# Altium PCB LDC10.PcbDoc
Units mm, origin at the board's own origin, x right, y up, seen from the top; angles counter-clockwise.
Board outline 44 x 21 mm, 2 copper layers (Top Layer, Bottom Layer); 28 components, 25 nets, 100 pads, 39 vias.
Unrouted connection lines stored in the file: 1.
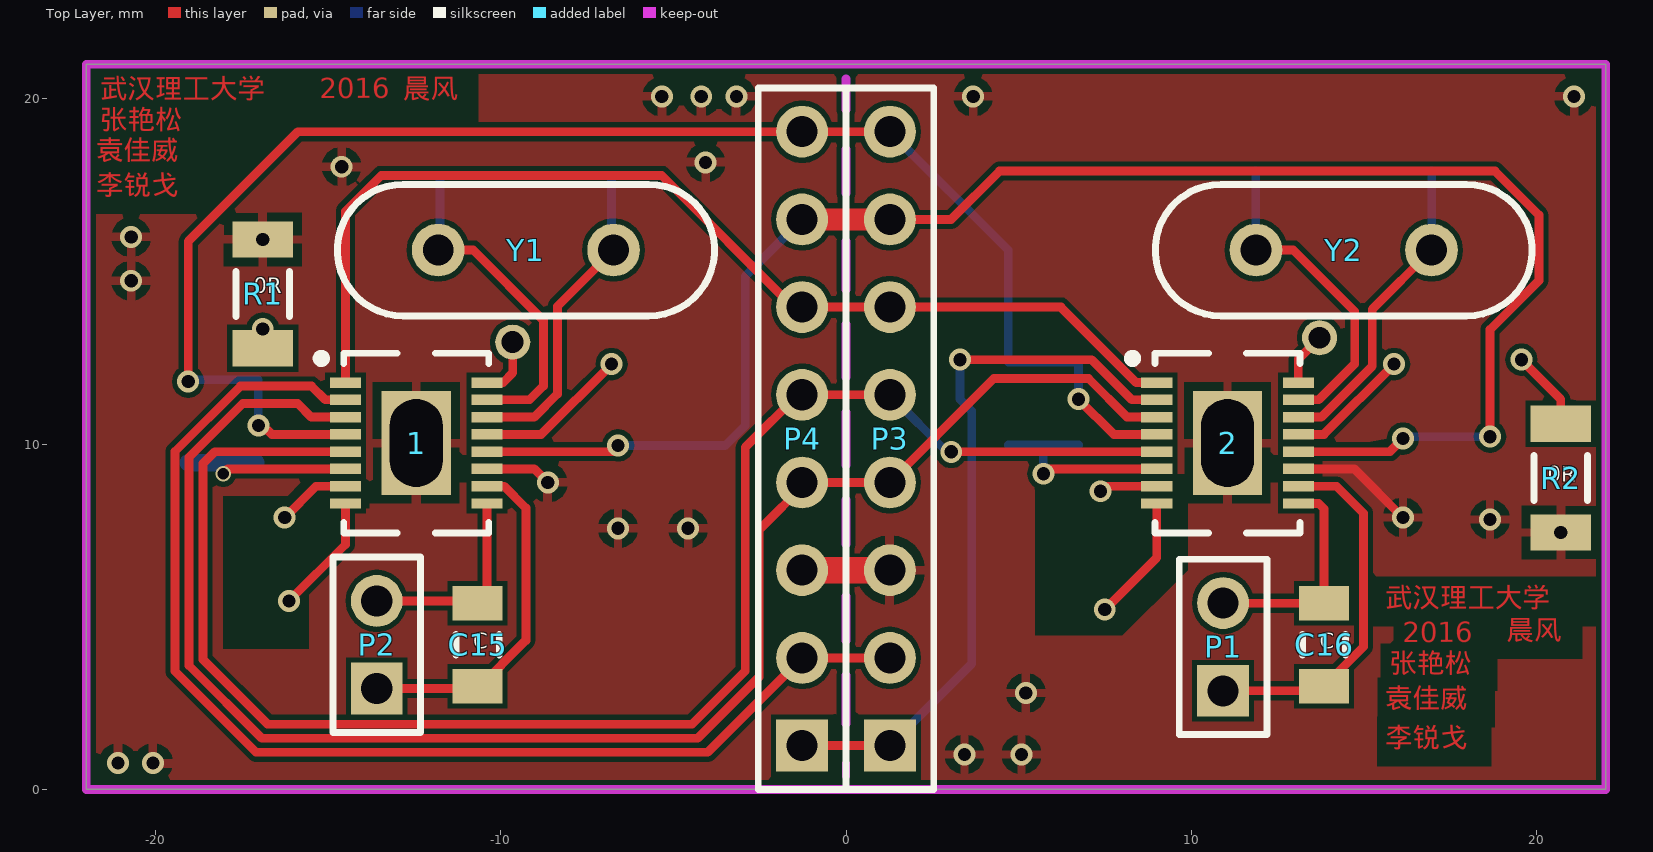
[diagram p0: Top Layer view]
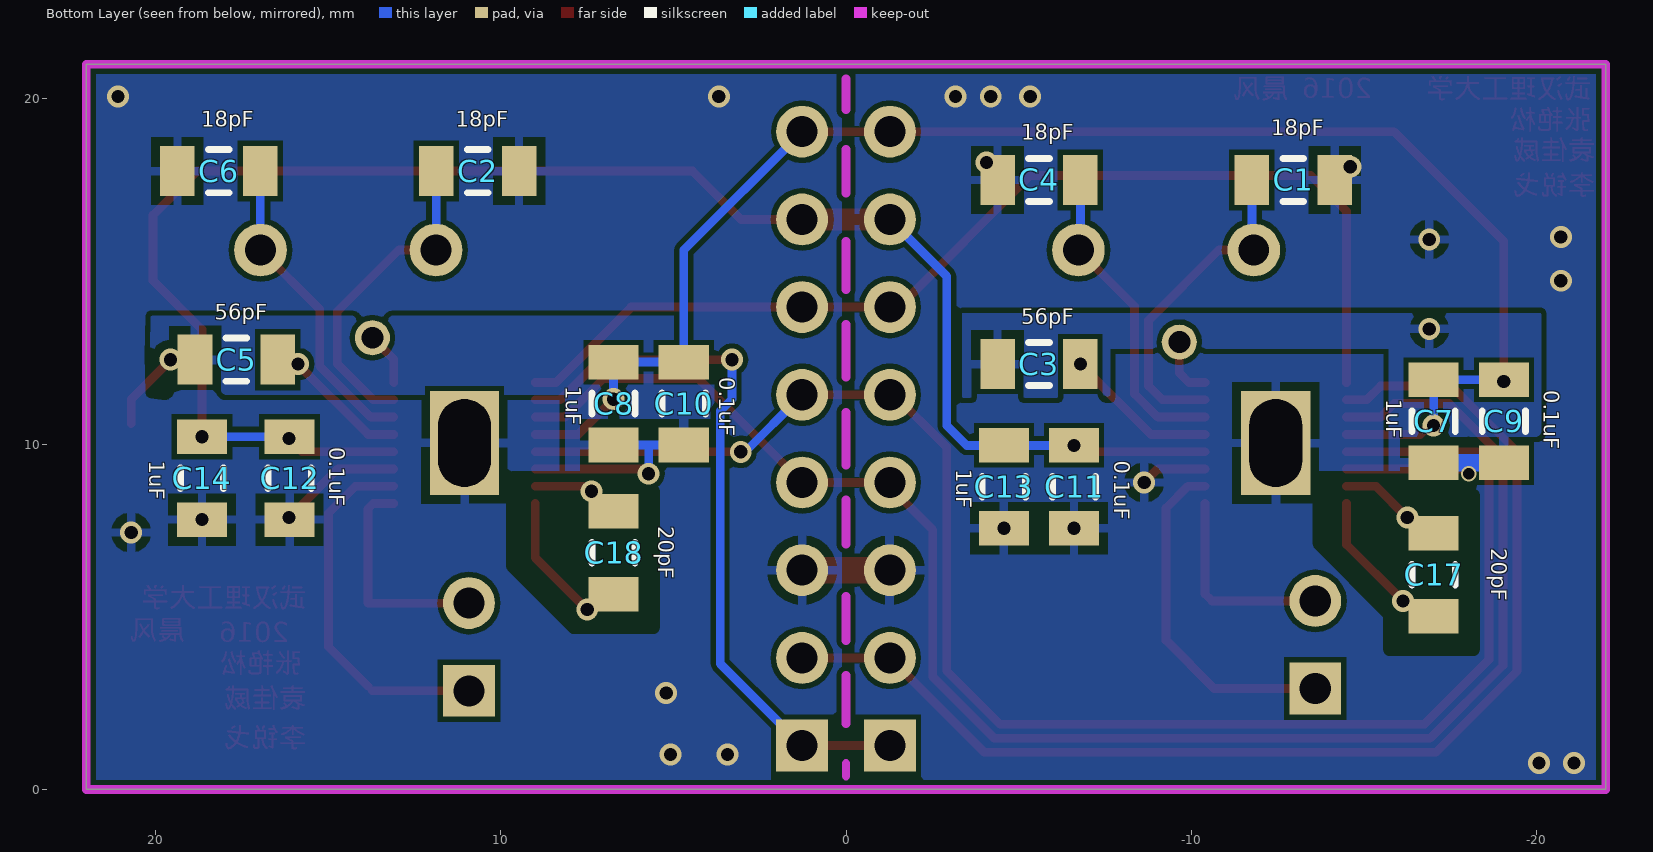
[diagram p1: Bottom Layer view, seen from below]

## Layer stack, top to bottom
Top Layer: signal copper 0.0356
Dielectric: dielectric 0.32, FR-4, Dk 4.8
Bottom Layer: signal copper 0.0356

## Board outline
-22,0 -22,21 22,21 22,0

## Design rules (kind name [scope] priority, off if disabled: settings)
Clearance [All] p1: gap=0.152
PolygonConnect [All] p1: connectstyle=Relief reliefconductorwidth=0.254 reliefentries=4 polygonreliefangle="90 Angle" airgapwidth=0.254
RoutingVias [All] p1: holewidth=0.711 width=1.27 viastyle="Through Hole" minholewidth=0.711 minwidth=1.27 maxholewidth=0.711 maxwidth=1.27
SolderMaskExpansion [All] p1: expansion=0.102
Width [All] p1: maxlimit=0.762 minlimit=0.152 preferedwidth=0.381 minimp=50.000000 maximp=50.000000 favimp=50.000000
28 further rules are at their usual default settings.

## Components (designator, comment, footprint, x,y, rotation, side; value= is the part's Value field where it differs from the comment)
1 "LDC1051" LDC1000 -12.446,10.033 r0 top
2 "LDC1051" LDC1000 11.049,10.033 r0 top
C1 "Cap" C2012 -12.954,17.653 r0 bottom
C2 "Cap" C2012 10.668,17.907 r0 bottom
C3 "Cap" C2012 -5.588,12.319 r180 bottom
C4 "Cap" C2012 -5.588,17.653 r180 bottom
C5 "Cap" C2012 17.653,12.446 r180 bottom
C6 "Cap" C2012 18.161,17.907 r180 bottom
C7 "Cap Pol1" C2012 -17.018,10.668 r270 bottom
C8 "Cap Pol1" C2012 6.731,11.176 r270 bottom
C9 "Cap" C2012 -19.05,10.668 r90 bottom
C10 "Cap" C2012 4.699,11.176 r90 bottom
C11 "Cap Pol1" C2012 -6.604,8.763 r270 bottom
C12 "Cap Pol1" C2012 16.111,9.017 r270 bottom
C13 "Cap" C2012 -4.572,8.763 r90 bottom
C14 "Cap" C2012 18.651,9.017 r90 bottom
C15 "Cap" C2012 -10.668,4.191 r90 top
C16 "Cap" C2012 13.843,4.191 r90 top
C17 "Cap" C2012 -17.018,6.223 r90 bottom
C18 "Cap" C2012 6.731,6.858 r90 bottom
P1 "Header 2" HDR1X2 10.922,2.857 r90 top
P2 "Header 2" HDR1X2 -13.589,2.921 r90 top
P3 "Header 8" HDR1X8 1.27,1.27 r90 top
P4 "Header 8" HDR1X8 -1.27,1.27 r90 top
R1 "Res2" 1206(2) -16.891,14.351 r270 top
R2 "Res2" 1206(2) 20.701,9.017 r90 top
Y1 "XTAL" XTAL-RAD-0.2 -9.271,15.621 r180 top
Y2 "XTAL" XTAL-RAD-0.2 14.414,15.621 r0 top

## Footprints (in the part's own frame and the unit in brackets; to place one, negate y for a bottom-side part, rotate by r counter-clockwise, add the part's x,y. Pads: shape width x height; smd on the part's side, far side on the other; paste and mask are expansions set on the pad)
1206(2) [mm]
  rect 1.05x1.75 smd: 1(-1.575,0) 2(1.575,0)
  silkscreen extent -0.65,-0.77 0.65,0.77, body extent -1.6,-0.8 1.6,0.8, height 1.6
C2012 [mm] "Chip Capacitor, 2-Leads, Body 2.0x1.2mm, IPC Low Density"
  rect 1x1.45 smd: 1(-1.2,0) 2(1.2,0)
  silkscreen extent -0.3,-0.63 0.3,0.63, body extent -0.98,-0.6 1.02,0.6, height 0.5
HDR1X2 [mm] "Connector; Header; 2 Position"
  rect 1.5x1.5 hole 0.9: 1(0,0)
  round 1.5 hole 0.9: 2(2.54,0)
  silkscreen extent -1.27,-1.27 3.81,1.27, body extent -1.27,-1.27 3.81,1.27, height 7.58
HDR1X8 [mm] "Connector; Header; 8 Position"
  rect 1.5x1.5 hole 0.9: 1(0,0)
  round 1.5 hole 0.9: 2(2.54,0) 3(5.08,0) 4(7.62,0) 5(10.16,0) 6(12.7,0) 7(15.24,0) 8(17.78,0)
  silkscreen extent -1.27,-1.27 19.05,1.27, body extent -1.27,-1.27 19.05,1.27, height 7.58
LDC1000 [mm] "QFN, 16-Leads, Body 5.00x4.00mm, Pitch 0.50mm/0.00mm, Thermal Pad 3.75x0.00mm, IPC Medium Density"
  rect 0.9x0.3 smd: 1(-2.05,1.75) 2(-2.05,1.25) 3(-2.05,0.75) 4(-2.05,0.25) 5(-2.05,-0.25) 6(-2.05,-0.75) 7(-2.05,-1.25) 8(-2.05,-1.75) 9(2.05,-1.75) 10(2.05,-1.25) 11(2.05,-0.75) 12(2.05,-0.25) 13(2.05,0.25) 14(2.05,0.75) 15(2.05,1.25) 16(2.05,1.75)
  rect 2x3 hole 1.524 slot 2.54 at 90 deg: 17(0,0)
  silkscreen extent -2.87,-2.6 2.1,2.6, body extent -1.95,-2.45 1.95,2.45, height 0.8
XTAL-RAD-0.2 [mil] "Radial Cap, Thru-Hole; 2 Leads; 0.2 in Pin Spacing"
  round 60 hole 35: 1(-100,0) 2(100,0)
  silkscreen extent -215,-75 215,75, body extent -210,-81 210,81, height 127

## Part data
1 2: library part LDC1000
C1 C2 C3 C4 C5 C6 C9 C10 C13 C14 C15 C16 C17 C18: "Capacitor"
C7 C8 C11 C12: "Polarized Capacitor (Radial)"
P1 P2: "Header, 2-Pin"
P3 P4: "Header, 8-Pin"
R1 R2: "Resistor"
Y1 Y2: "晶体振荡器"

## Free pads (board coordinates)
  round 1.016 hole 0.635: 0(-9.652,12.954) 0(13.716,13.081)

## Via types
v1: diameter 0.635, hole 0.381, Top Layer to Bottom Layer, 38 vias
v2: diameter 0.457, hole 0.33, Top Layer to Bottom Layer, 1 vias

## Nets (pads, with @x,y where several pads share a name; then routed paths per layer and width w, separated by ;. In a path a pad name is that pad's centre, name@x,y a point inside that pad or via, vN(x,y) a via of type N, cw(c..) or ccw(c..) an arc to the next point about the centre after c; other vN are vias at no path point)
4.5V: 1.4 2.4 C7.1 C8.1 C9.2 C10.2 P3.8 P4.8 | length 45.7
  Top Layer w0.254: v1(-19.05,11.811) -19.05,15.875 -15.875,19.05 P4.8 P3.8 ; v1@-17.018,10.414 -16.764,10.414 -16.633,10.283 1.4 ; v1(6.731,11.303) 7.751,10.283 2.4
  Bottom Layer w0.254: C9.2 C7.1 -17.018,10.668 -17.145,10.541 v1(-17.018,10.541) ; P3.8 4.699,15.621 C10.2 C8.1 v1(6.731,11.303)
5V: 1.12 2.12 C11.1 C12.1 C13.2 C14.2 P3.7 P4.7 | length 49.5
  Top Layer w0.254: 1.12 v1@-6.604,9.783 ; P3.7 3.048,16.51 4.445,17.907 18.796,17.907 20.066,16.637 20.066,14.732 18.651,13.317 v1(18.651,10.217) ; 2.12 15.752,9.783 v1(16.129,10.16)
  Top Layer w0.635: P4.7 P3.7
  Bottom Layer w0.254: v1(-6.604,9.963) C13.2 -3.499,9.963 -2.921,10.541 -2.921,14.859 P4.7 ; v1(16.129,10.16) 16.186,10.217 v1(18.651,10.217)
CSB1: 1.2 P3.2 P4.2 | length 35.1
  Top Layer w0.254: 1.2 -15.081,11.283 -15.482,11.684 -17.532,11.684 -19.431,9.785 -19.431,3.423 -17.087,1.079 -4.001,1.079 P4.2 P3.2
CSB2: 2.2 P3.1 P4.1 | length 20.8
  Top Layer w0.254: P4.1 P3.1 ; v1@3.556,12.446 7.112,12.446 8.275,11.283 2.2
  Bottom Layer w0.254: P3.1 3.645,3.645 3.645,10.96 3.302,11.303 v1(3.302,12.446)
DGND: 1.6 2.6 C3.1 C5.1 C7.2 C8.2 C9.1 C10.1 R1.2 R2.2 | length 14.1
  Top Layer w0.254: v2(-18.034,9.144) -18.034,9.156 -17.907,9.283 1.6 ; v1(5.715,9.144) 5.854,9.283 2.6 ; v1(19.558,12.446) 20.701,11.303 R2.2
  Bottom Layer w0.254: C10.1 5.715,9.976 ; v1(5.715,9.144) 5.715,9.976 ; C8.2 5.715,9.976
  Bottom Layer w0.508: C9.1 C7.2@-17.088,9.468
  other v1: -16.891,13.335
GND: 1.11 1.17 2.11 2.17 C1.1 C2.1 C4.1 C6.1 C11.2 C12.2 C13.1 C14.1 P3.3 P4.3 R1.1 R2.1 | length 8.1
  Top Layer w0.254: 1.11 -9.029,9.283 v1(-8.636,8.89) ; 2.11 14.72,9.283 v1(16.129,7.874)
  Top Layer w0.762: P4.3 P3.3
  other v1: -21.082,0.762 -20.066,0.762 3.429,1.016 5.08,1.016 5.207,2.794 20.701,7.442 -6.604,7.563 -4.572,7.563 18.651,7.817 -20.701,14.732 -16.891,15.926 -20.701,16.002 -14.605,18.034 -4.064,18.161 -5.334,20.066 -4.191,20.066 -3.175,20.066 3.683,20.066 21.082,20.066
INTB1: 1.16 pad.0@-9.652,12.954 | length 1.7
  Top Layer w0.254: 1.16 -9.934,11.783 -9.652,12.065 pad.0@-9.652,12.954
INTB2: 2.16 pad.0@13.716,13.081 | length 1.6
  Top Layer w0.254: 2.16 13.099,12.464 pad.0@13.716,13.081
MISO: 1.5 2.5 P3.5 P4.5 | length 46.7
  Top Layer w0.254: 1.5 -18.284,9.783 -18.618,9.449 -18.618,3.759 -16.751,1.892 -4.458,1.892 -2.921,3.429 -2.921,9.906 P4.5@-1.333,11.493 ; P4.5 P3.5 ; v1@3.048,9.783 2.5
  Bottom Layer w0.254: P3.5 v1@2.984,9.716
  other v1: 3.048,9.779
MOSI: 1.3 2.3 P3.4 P4.4 | length 47.7
  Top Layer w0.254: 1.3 -15.482,10.783 -15.875,11.176 -17.466,11.176 -19.025,9.617 -19.025,3.591 -16.919,1.485 -4.29,1.485 -2.515,3.261 -2.515,7.518 P4.4@-1.143,8.89 ; P4.4 P4.4@-1.143,8.89 ; 2.3 8.14,10.783 7.023,11.9 4.28,11.9 P3.4 P4.4@-1.143,8.89
Net1_7: 1.7 C17.2 | length 2.1
  Top Layer w0.254: v1(-16.256,7.874) -15.347,8.783 1.7
Net1_8: 1.8 C17.1 | length 3.5
  Top Layer w0.254: v1(-16.129,5.461) -14.496,7.094 1.8
Net1_9: 1.9 C15.2 P2.2 | length 5.9
  Top Layer w0.254: P2.2 -10.598,5.461 -10.396,5.663 1.9
Net1_10: 1.10 C15.1 P2.1 | length 10.1
  Top Layer w0.254: P2.1 -10.668,2.921 -9.271,4.318 -9.271,8.153 -9.901,8.783 1.10
Net1_13: 1.13 C3.2 | length 4.5
  Top Layer w0.254: 1.13 -8.824,10.283 v1(-6.788,12.319)
Net1_14: 1.14 C4.2 Y1.1 | length 9.2
  Top Layer w0.254: 1.14 -9.029,10.783 -8.357,11.455 -8.357,13.995 Y1.1
  Bottom Layer w0.254: C4.2 -6.788,15.678 Y1.1
Net1_15: 1.15 C1.2 Y1.2 | length 9.6
  Top Layer w0.254: Y1.2 -10.795,15.621 -8.763,13.589 -8.763,11.684 -9.164,11.283 1.15
  Bottom Layer w0.254: Y1.2 -11.754,15.678 C1.2
Net2_7: 2.7 C18.2 | length 1.6
  Top Layer w0.254: v1@7.366,8.783 2.7
  other v1: 7.366,8.636
Net2_8: 2.8 C18.1 | length 3.7
  Top Layer w0.254: v1(7.493,5.207) 8.999,6.713 2.8
Net2_9: 2.9 C16.2 P1.2 | length 6.5
  Top Layer w0.254: P1.2 10.928,5.391 C16.2 13.843,8.128 13.688,8.283 2.9
Net2_10: 2.10 C16.1 P1.1 | length 10.5
  Top Layer w0.254: P1.1 C16.1@13.71,2.857 ; 2.10 14.204,8.783 14.986,8.001 14.986,4.134 C16.1
Net2_13: 2.13 C5.2 | length 3.6
  Top Layer w0.254: 2.13 13.839,10.283 v1(15.875,12.319)
Net2_14: 2.14 C6.2 Y2.2 | length 9.1
  Top Layer w0.254: 2.14 13.764,10.783 15.24,12.259 15.24,13.906 Y2.2
  Bottom Layer w0.254: Y2.2 16.961,15.627 C6.2
Net2_15: 2.15 C2.2 Y2.1 | length 9.5
  Top Layer w0.254: Y2.1 12.954,15.621 14.732,13.843 14.732,12.325 13.69,11.283 2.15
  Bottom Layer w0.254: C2.2 11.868,15.627 Y2.1
SCLK: 1.1 2.1 P3.6 P4.6 | length 31.4
  Top Layer w0.254: 1.1 -14.496,16.746 -13.462,17.78 -5.334,17.78 -1.524,13.97 P4.6 P3.6 6.223,13.97 8.41,11.783 2.1

## Polygon pours and split planes (outlines as drawn)
GND on Bottom Layer "Top Layer-No Net" (solid, remove dead copper, pour order 7): -21.971,20.866 -21.971,0 -0.254,0 -0.254,21
DGND on Bottom Layer "Top Layer-No Net" (solid, remove dead copper, pour order 5): -20.132,8.892 -20.132,13.797 -3.368,13.797 -3.368,11.474 -3.368,11.345 -7.653,11.345 -7.653,12.765 -15.594,12.765 -15.72,12.765 -15.72,8.763
DGND on Bottom Layer "Top Layer-No Net" (solid, remove dead copper, pour order 6): 3.81,8.255 3.81,13.716 6.3,13.716 20.193,13.716 20.193,11.43 8.135,11.43 8.135,8.255
GND on Bottom Layer "Top Layer-No Net" (solid, remove dead copper, pour order 8): 22,21 22,0.127 0.641,0.127 0.127,0.127 0.127,21
GND on Top Layer "Top Layer-No Net" (solid, remove dead copper, pour order 13): 22,21 22,0 8.128,0 8.001,0 8.001,4.445 9.779,6.223 9.906,6.35 9.906,8.89 9.906,9.144 6.985,9.144 5.969,9.144 5.461,8.636 5.461,4.699 5.461,4.445 8.001,4.445 8.001,0 0.254,0 0.254,21
GND on Top Layer "Top Layer-No Net" (solid, remove dead copper, pour order 11): -21.717,21 -21.717,0 -18.179,0 -18.053,0.127 -18.053,4.064 -18.053,8.509 -16.173,8.509 -15.797,8.89 -15.672,9.017 -14.168,9.017 -13.917,9.017 -13.792,8.89 -13.792,8.128 -14.92,8.128 -15.546,7.493 -15.546,4.064 -18.053,4.064 -18.053,0 -0.254,0 -0.254,2.286 -0.254,20.955

## Keep-outs
Keep-Out Layer:
  lines w0.245: 0,0.381 0,0.762
  lines w0.254: 0,1.905 0,3.302 ; 0,4.318 0,5.588 ; 0,7.112 0,8.382 ; 0,9.398 0,10.922 ; 0,11.938 0,13.462 ; 0,14.478 0,15.875 ; 0,17.272 0,18.542 ; 0,19.685 0,20.574 ; -22,0 0,0 22,0 22,21 -22,21 -22,0

## Other copper
Top Layer:
  text "武汉理工大学" at -21.59,19.812 h1
  text "2016" at -15.24,19.812 h1 r0.25
  text "晨风" at -12.827,19.812 h1
  text "张艳松" at -21.59,18.923 h1
  text "袁佳威" at -21.717,18.034 h1
  text "李锐戈" at -21.717,17.018 h1
  text "武汉理工大学" at 15.621,5.08 h1
  text "晨风" at 19.14,4.135 h1
  text "2016" at 16.129,4.064 h1 r0.25
  text "张艳松" at 15.748,3.175 h1
  text "袁佳威" at 15.621,2.159 h1
  text "李锐戈" at 15.621,1.016 h1

## Silkscreen, mask and mechanical layers (free items; w line width, h text height)
Top Overlay:
  text "0R" at -17.145,14.224 h0.76
  text "0R" at 20.32,8.763 h0.76
  text "C" at -10.795,3.937 h0.76
  text "C" at 13.716,3.937 h0.76
Bottom Overlay:
  text "18pF" at 11.303,19.05 h0.76
  text "18pF" at 18.669,19.05 h0.76
  text "18pF" at -12.319,18.796 h0.76
  text "18pF" at -5.08,18.669 h0.76
  text "56pF" at 18.288,13.462 h0.76
  text "56pF" at -5.08,13.335 h0.76
  text "0.1uF" at 3.81,11.938 h0.76 r90
  text "1uF" at 8.255,11.684 h0.76 r90
  text "0.1uF" at -20.066,11.557 h0.76 r90
  text "1uF" at -15.494,11.303 h0.76 r90
  text "0.1uF" at 15.113,9.906 h0.76 r90
  text "0.1uF" at -7.62,9.525 h0.76 r90
  text "1uF" at 20.32,9.525 h0.76 r90
  text "1uF" at -3.048,9.271 h0.76 r90
  text "20pF" at 5.588,7.62 h0.76 r90
  text "20pF" at -18.542,6.985 h0.76 r90